# Altium PCB freq_conv_test_unit_pcb (2).PcbDoc (continued)
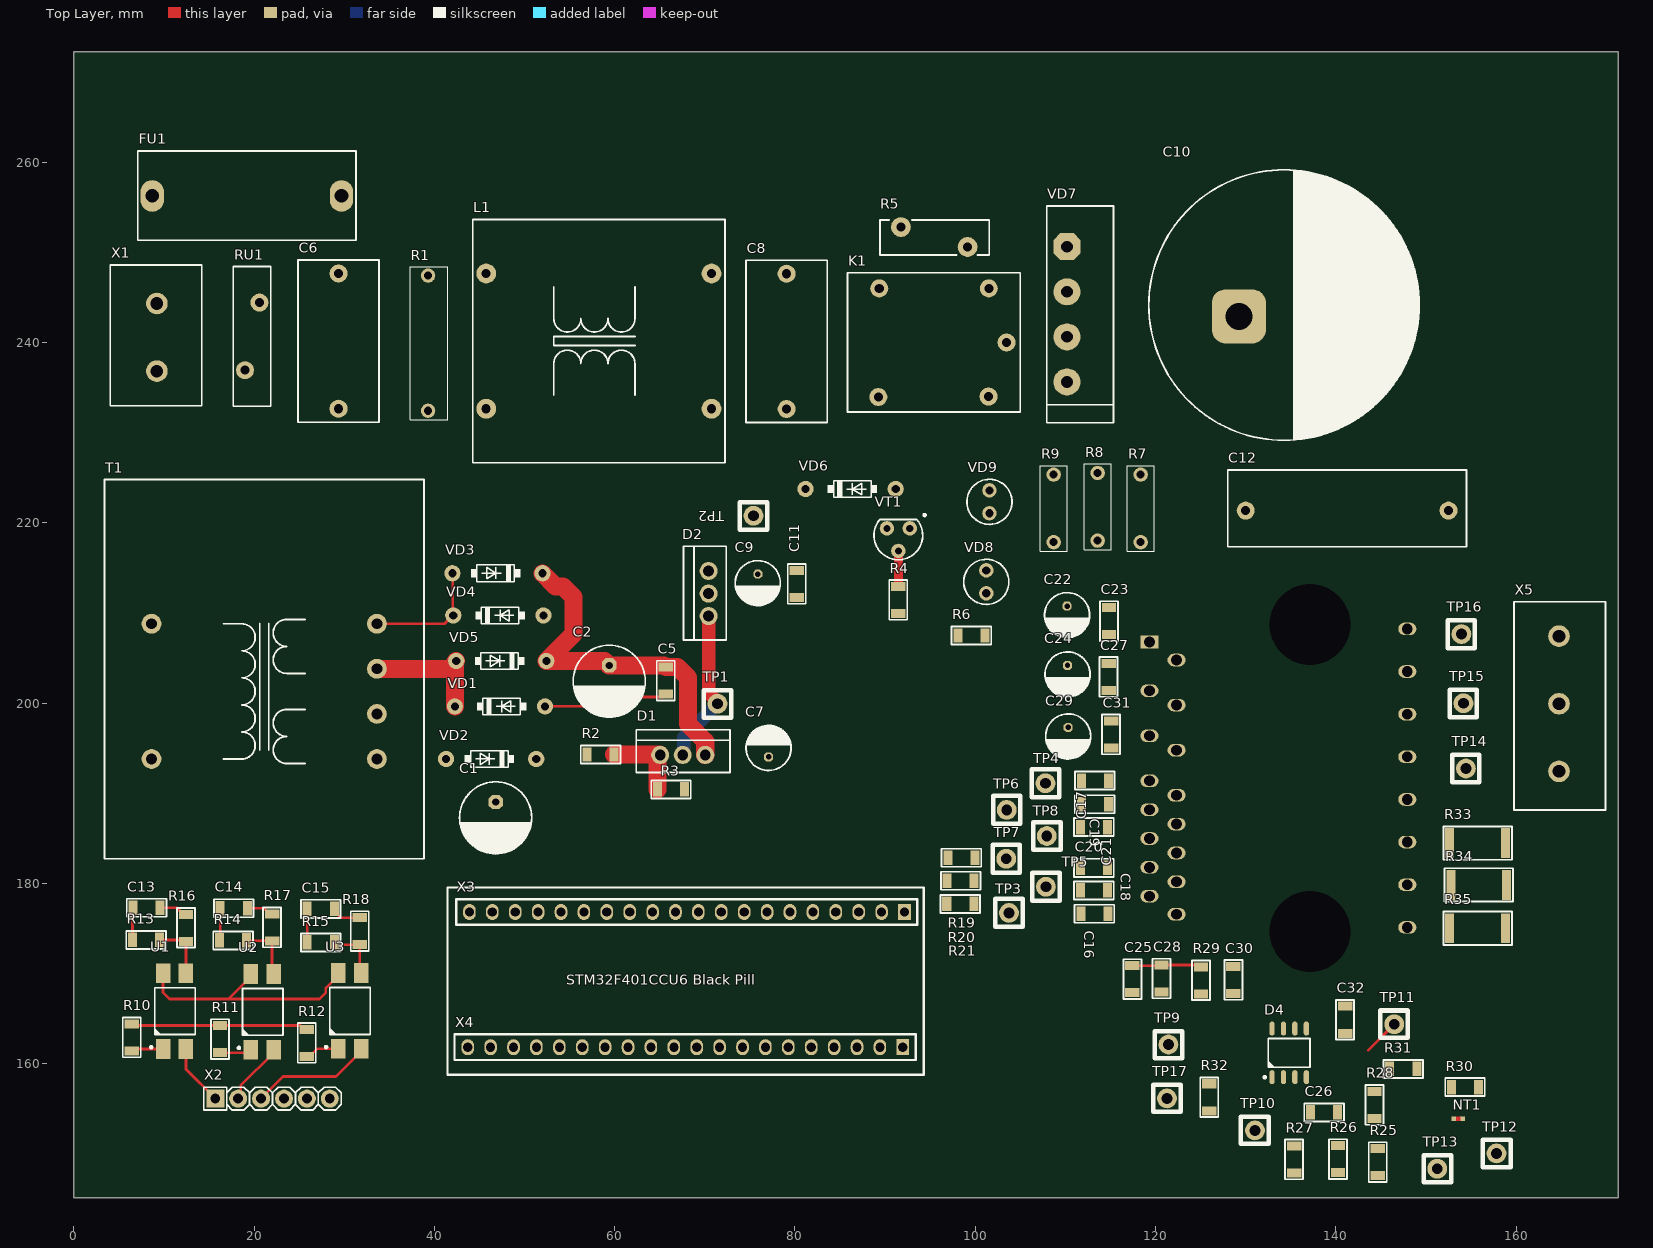
[diagram p0: Top Layer view]
## Components (designator, comment, footprint, x,y, rotation, side; value= is the part's Value field where it differs from the comment) (continued)
R31 "Resistor film, 240, ±5%, 1206, 0.25W, -55...+125°C" "RES: 1206" 147.475,159.425 r180 top value=240
R32 "Resistor film, 4.7k, ±5%, 1206, 0.25W, -55...+125°C" "RES: 1206" 125.95,156.275 r90 top value=4.7k
R33 "Resistor film, 0.01, ±1%, 2512, 1W, -55...+125°C" "RES: 2512" 155.725,184.475 r0 top value=0.01
R34 "Resistor film, 0.01, ±1%, 2512, 1W, -55...+125°C" "RES: 2512" 155.85,179.825 r0 top value=0.01
R35 "Resistor film, 0.01, ±1%, 2512, 1W, -55...+125°C" "RES: 2512" 155.725,175.025 r0 top value=0.01
RU1 "Varistor, 275VAC, pitch 7mm,  -40…85°C" "VARISTOR: B72214" 20.6,244.425 r270 top
T1 "Transformer, TP112-11" "TRANS: TP-112" 21.113,203.787 r90 top
TP1 "Test_Point" "TEST POINT KEYSTONE" 71.4,199.925 r270 top
TP2 "Test_Point" "TEST POINT KEYSTONE" 75.4,220.775 r270 top
TP3 "Test_Point" "TEST POINT KEYSTONE" 103.738,176.725 r0 top
TP4 "Test_Point" "TEST POINT KEYSTONE" 107.788,191.1 r0 top
TP5 "Test_Point" "TEST POINT KEYSTONE" 107.838,179.625 r0 top
TP6 "Test_Point" "TEST POINT KEYSTONE" 103.488,188.15 r0 top
TP7 "Test_Point" "TEST POINT KEYSTONE" 103.438,182.725 r0 top
TP8 "Test_Point" "TEST POINT KEYSTONE" 107.938,185.25 r0 top
TP9 "Test_Point" "TEST POINT KEYSTONE" 121.425,162.125 r270 top
TP10 "Test_Point" "TEST POINT KEYSTONE" 131.025,152.6 r90 top
TP11 "Test_Point" "TEST POINT KEYSTONE" 146.475,164.375 r90 top
TP12 "Test_Point" "TEST POINT KEYSTONE" 157.825,150.05 r270 top
TP13 "Test_Point" "TEST POINT KEYSTONE" 151.25,148.35 r270 top
TP14 "Test_Point" "TEST POINT KEYSTONE" 154.425,192.75 r180 top
TP15 "Test_Point" "TEST POINT KEYSTONE" 154.15,199.975 r180 top
TP16 "Test_Point" "TEST POINT KEYSTONE" 153.925,207.65 r180 top
TP17 "Test_Point" "TEST POINT KEYSTONE" 121.275,156.15 r90 top
U1 "IC optoisolator, 4µs/3µs, 5000Vrms, 35V, -40...+125°C, 4-SMD" 4-SMD 11.175,165.825 r90 top
U2 "IC optoisolator, 4µs/3µs, 5000Vrms, 35V, -40...+125°C, 4-SMD" 4-SMD 20.925,165.75 r90 top
U3 "IC optoisolator, 4µs/3µs, 5000Vrms, 35V, -40...+125°C, 4-SMD" 4-SMD 30.6,165.85 r90 top
VD1 "Single diode, 60V, 1A, 650mV, ?, DO-41,  -65…+150°C" "DIODE: DO41" 47.276,199.636 r180 top
VD2 "Single diode, 1000V, 1A, 1.1V, , DO-41, -65...+175 C" "DIODE: DO41" 46.3,193.8 r0 top
VD3 "Single diode, 60V, 1A, 650mV, ?, DO-41,  -65…+150°C" "DIODE: DO41" 47,214.4 r0 top
VD4 "Single diode, 60V, 1A, 650mV, ?, DO-41,  -65…+150°C" "DIODE: DO41" 47.1,209.725 r180 top
VD5 "Single diode, 60V, 1A, 650mV, ?, DO-41,  -65…+150°C" "DIODE: DO41" 47.425,204.675 r0 top
VD6 "Single diode, 1000V, 1A, 1.1V, , DO-41, -65...+175 C" "DIODE: DO41" 86.175,223.75 r180 top
VD7 "Single phase rectifier, 1000V, 25A, 1.1V, GBJ, Molded plastic, -55...+150°C" "DIODE: KBU6M" 110.175,243.125 r270 top
VD8 "LED, Green, *, *, *, -55...+150°C" "LED: Axial 3MM GREEN" 101.225,213.45 r270 top
VD9 "LED, RED, *, *, *, -55...+150°C" "LED: Axial 3MM RED" 101.575,222.325 r90 top
VT1 "NPN transistor, 40V, 1.5A, 190MHz, 1W, 0.5Vmax, 120...200, TO-92, 150°C" SC_TO-92 91.475,219.38 r90 top
X1 "Connector, 2pin, 9.53mm, 300VAC, 16A" DG128-7.5-02P 9.225,244.325 r270 top
X2 "Connector, 6pin, 2.54mm, 500VAC, 3A" "CON: PLS-6" 22.05,156.125 r0 top
X3 "Connector, 20pin, 2.54mm, 500VAC, 3A" "PBS-20 narrow pitch" 68.02,176.825 r180 top
X4 "Connector, 20pin, 2.54mm, 500VAC, 3A" "PBS-20 narrow pitch" 67.835,161.825 r180 top
X5 "Connector, 3pin, 9.53mm, 300VAC, 16A" DG128-7.5-03P 164.75,192.425 r90 top

## Footprints (in the part's own frame and the unit in brackets; to place one, negate y for a bottom-side part, rotate by r counter-clockwise, add the part's x,y. Pads: shape width x height; smd on the part's side, far side on the other; paste and mask are expansions set on the pad)
4-SMD [mm] "SOIC, 4-Leads, Body 4,60x6,50mm, Pitch 1,27mm, IPC Medium Density"
  rect 2.2x1.6 smd: 1(-4.2,1.27) 2(-4.2,-1.27) 3(4.2,-1.27) 4(4.2,1.27)
  round 0.5 on Mech1: ""(-2.1,1.7)
  silkscreen extent -4.12,-2.3 2.6,2.72, body extent -5,-2.28 5,2.3, height 3.75
8-SOIC [mm] "pitch 1.27 mm"
  rrect100% 1.55x0.6 smd: 1(-2.7,1.905) 2(-2.7,0.635) 3(-2.7,-0.635) 4(-2.7,-1.905) 5(2.7,-1.905) 6(2.7,-0.635) 7(2.7,0.635) 8(2.7,1.905)
  round 0.7 on Mech1: 28(-2.395,1.8)
  silkscreen extent -2.82,-2.3 1.61,2.82, body extent -3,-2.45 3,2.45, height 1.75
"CAP: 1206" [mm]
  rect 1x1.6 smd: 1(-1.5,0) 2(1.5,0)
  silkscreen extent -2.2,-1 2.2,1, body extent -1.6,-0.8 1.6,0.8, height 1
"CAP: B32673" [mm]
  round 2 hole 1: 1(0,0) 2(22.5,0)
  silkscreen extent -2,-4 24.5,4.5, body extent -1.98,-4.25 24.52,4.26, height 16.29
"CAP: B32922" [mm]
  round 2 hole 1: 1(-7.5,0) 2(7.5,0)
  silkscreen extent -9,-4.5 9,4.5, body extent -9,-4.5 9,4.5, height 18.1
"CAP: D5C2H11" [mm]
  oct 1x1 hole 0.6: 1(-1,0)
  round 1 hole 0.6: 2(1,0)
  silkscreen extent -2.5,-2.5 2.5,2.5, body extent -2.75,-2.75 2.75,2.75, height 13.5
"CAP: D8C3.5H12" [mm]
  oct 1.6x1.6 hole 0.8: 1(-1.75,0)
  round 1.6 hole 0.8: 2(1.75,0)
  silkscreen extent -4,-4 4,4, body extent -4.25,-4.25 4.25,4.25, height 13
"CAP: D30C10H37" [mm]
  rrect50% 6x6 hole 3: 1(0,0) 2(10.5,2.5)
  silkscreen extent -10,-13.8 20,16.25, body extent -12.7,-16.47 22.61,18.84, height 36.83
"CON: PLS-6" [mm]
  rect 2x2 hole 1.1: 1(-6.35,0)
  round 2 hole 1.1: 2(-3.81,0) 3(-1.27,0) 4(1.27,0) 5(3.81,0) 6(6.35,0)
  silkscreen extent -7.62,-1.27 7.62,1.27, body extent -7.62,-1.27 7.62,1.27, height 8.54
DG128-7.5-02P [mm]
  round 2.4 hole 1.4: 1(0,0) 2(7.5,0)
  round 0.5 on Top Overlay: ""(-3.2,-4.225)
  silkscreen extent -4.27,-5.18 11.35,4.97, body extent -4.3,-5.22 11.3,4.98, height 14.1
DG128-7.5-03P [mm]
  round 2.4 hole 1.4: 1(0,0) 2(7.5,0) 3(15,0)
  round 0.5 on Top Overlay: ""(-3.2,-4.225)
  silkscreen extent -4.27,-5.18 18.82,4.97, body extent -4.33,-5.25 18.77,4.95, height 14.1
"DIODE: DO41" [mm]
  round 1.8 hole 0.9: 1(-5,0) 2(5,0)
  silkscreen extent -2.91,-0.91 2.52,0.96, body extent -5.41,-1.36 5.45,1.36, height 4.36
"DIODE: KBU6M" [mm]
  oct 3x3 hole 1.3: 1(-7.5,0)
  round 3 hole 1.3: 2(-2.5,0) 3(7.5,0) 4(2.5,0)
  silkscreen extent -12.03,-2.25 12.03,5.15, body extent -11.85,-2.1 11.85,5, height 19.8
"FUSE: FH-101" [mm] "Fuse connector PCB mount"
  oval 2.6x3.5 hole 1.5: 1(-10.5,0) 2(10.5,0)
  silkscreen extent -12.1,-4.9 12.1,5, body extent -12.02,-4.83 11.98,4.97, height 11
"IND: B82723A" [mm]
  round 2.2 hole 1 mask+0.075: 1(25,0) 2(0,0) 3(0,-15) 4(25,-15)
  silkscreen extent -1.5,-21 26.5,6, body extent -1.5,-21 26.5,6, height 16.81
"INF-CIPOS MINI" [mm] "CIPOS MINI;24 pin, 21mm W X 36mm L X 5.6mm H body"
  rect 1.4x2 hole 1.2 paste+0 mask+0: 1(-15.1,14.3)
  oval 1.4x2 hole 1.2 paste+0 mask+0: 2(-13.1,11.3) 3(-9.7,14.3) 4(-8.1,11.3) 5(-4.7,14.3) 6(-3.1,11.3) 7(0.3,14.3) 8(1.9,11.3) 9(3.5,14.3) 10(5.1,11.3) 11(6.7,14.3) 12(8.3,11.3) 13(9.9,14.3) 14(11.5,11.3) 15(13.1,14.3) 16(15.1,11.3) 17(16.555,-14.3) 18(11.825,-14.3) 19(7.095,-14.3) 20(2.365,-14.3) 21(-2.365,-14.3) 22(-7.095,-14.3) 23(-11.825,-14.3) 24(-16.555,-14.3)
  round 0 hole 9 unplated paste+0 mask+0: ""(-17.025,-3.5) ""(17.025,-3.5)
  silkscreen extent -18,-12 18,16.6, body extent -18,-14.56 18,14.56, height 5.61
"LED: Axial 3MM GREEN" [mm]
  round 1.6 hole 0.9: 1(-1.27,0) 2(1.27,0)
  silkscreen extent -2.5,-2.5 2.5,2.5, body extent -1.97,-2 1.7,2, height 7.6
"LED: Axial 3MM RED" [mm]
  round 1.6 hole 0.9: 1(-1.27,0) 2(1.27,0)
  silkscreen extent -2.5,-2.5 2.5,2.5, body extent -1.9,-1.9 1.6,1.9, height 6.5
"NET TIE 0.5_1.5" [mm]
  rect 0.5x0.5 smd: 1(-0.5,0) 2(0.5,0)
  Top Layer region: -0.3,-0.25 0.3,-0.25 0.3,0.25 -0.3,0.25
"PBS-20 narrow pitch" [mil]
  rect 55x70 hole 40: 1(-950,0)
  oval 55x70 hole 40: 2(-850,0) 3(-750,0) 4(-650,0) 5(-550,0) 6(-450,0) 7(-350,0) 8(-250,0) 9(-150,0) 10(-50,0) 11(50,0) 12(150,0) 13(250,0) 14(350,0) 15(450,0) 16(550,0) 17(650,0) 18(750,0) 19(850,0) 20(950,0)
  silkscreen extent -1006,-56 1008,56, body extent -1010,-49 1010,49, height 336
"RES: 1206" [mm]
  rect 1x1.6 smd: 1(-1.5,0) 2(1.5,0)
  silkscreen extent -2.2,-1 2.2,1, body extent -1.65,-0.8 1.55,0.8, height 0.47
"RES: 2512" [mm]
  rect 1x3.3 smd: 1(-3.1,0) 2(3.1,0)
  silkscreen extent -3.8,-1.85 3.8,1.85, body extent -3.17,-1.6 3.17,1.6, height 0.52
"RES: Axial 7.62MM" [mm]
  round 1.6 hole 0.9: 1(0,0) 2(7.5,0)
  silkscreen extent -1,-1.5 8.5,1.5, body extent -0.38,-1.2 7.84,1.2, height 2.7
"RES: Axial 15mm" [mm]
  round 1.6 hole 0.9: 1(0,0) 2(15,0)
  silkscreen extent -1,-2.2 16,2, body extent -0.3,-2.1 15.3,2.1, height 4.7
"RES: B57237 (NTC)" [mm]
  round 2.2 hole 1: 1(0.3,1.1) 2(7.7,-1.1)
  silkscreen extent -2.1,-1.9 10,2, body extent -2,-1.9 10,1.9, height 13
SC_TO-92 [mm] "TO, Flat Index; 3 In-Line, Axial Leads; Body Dia. 5mm; Leads 0.55 x 0.50 mm (max)"
  round 1.6 hole 0.8: 1(0,-1.27) 2(-2.505,0) 3(0,1.27)
  silkscreen extent -3.47,-3.03 1.6,2.71, body extent -5.05,-2.46 0.19,2.54, height 10
SRD-05VDC-SL-C [mm]
  round 2 hole 1: 1(5.5,-6.125) 2(-6.725,-6.175) 3(-6.625,5.875) 4(5.525,5.875) 5(7.5,-0.125)
  silkscreen extent -10.15,-7.83 9.03,7.6, body extent -10.17,-7.88 8.93,7.62, height 16.4
"TEST POINT KEYSTONE" [mm]
  round 2.2 hole 1.2: 1(0,0)
  silkscreen extent -1.5,-1.53 1.52,1.55, body extent -1.27,-1.26 1.27,1.28, height 4.99
TO-220F [mm]
  round 2 hole 1.2: 1(-2.5,0) 2(0,0) 3(2.5,0)
  silkscreen extent -5.15,-1.95 5.25,2.8, body extent -5,-1.6 5.14,3.1, height 19.57
"TRANS: TP-112" [mm]
  round 2.2 hole 1.2: 1(-9.988,12.488) 4(5.012,12.488) 7(5.012,-12.512) 8(0.012,-12.512) 9(-4.988,-12.512) 10(-9.988,-12.512)
  silkscreen extent -21.06,-17.74 21.01,17.71, body extent -20.99,-17.79 21.01,17.71, height 41.5
"VARISTOR: B72214" [mm]
  round 2 hole 1: 1(0,0) 2(7.5,-1.6)
  silkscreen extent -4,-2.9 11.5,1.25, body extent -4,-2.92 11.5,1.28, height 18.75

## Part data
C1: library part Aluminium, Manufacturer=?, Package="8x12x3.5 mm", PartNumber=9000565901, Temperature=-40...+105°C, Tolerance=±20%, TypeCapacitor="Aluminium capacitor", Voltage=25V, HelpURL=https://www.chipdip.ru/product0/9000565901, Impedance=54mOhm, Price ChipDip=13, ValueManufacturerPartNumber="Aluminium capacitor, 220μF, 25V, ±20%, 54mOhm, 8x12x3.5 mm, -40...+105°C"
C2: library part Aluminium, Manufacturer=?, Package="8x12x3.5 mm", PartNumber=9000565901, Temperature=-40...+105°C, Tolerance=±20%, TypeCapacitor="Aluminium capacitor", Voltage=35V, HelpURL=https://www.chipdip.ru/product0/9000565902, Impedance=54mOhm, Price ChipDip=13, ValueManufacturerPartNumber="Aluminium capacitor, 220μF, 35V, ±20%, 54mOhm, 8x12x3.5 mm, -40...+105°C"
C5 C11 C23 C25 C26 C27 C31 C32: library part Ceramic_1206, Package=1206, PartNumber="Ceramic capacitor, 0.1μF,   50V", Temperature=-55...+125°C, Tolerance=±10%, TypeCapacitor="Ceramic capacitor", TypeDielectric=X7R, Voltage=50V, HelpURL=https://www.chipdip.ru/product0/42211, Price ChipDip=11, ValueManufacturerPartNumber="Ceramic capacitor, 0.1μF, X7R, ±10%, 50V, 1206, -55...+125°C"
C6 C8: library part Film, Manufacturer=Epcos, Package=18x14x8, PartNumber=B32922-C3334-K, Temperature=-40...+110°C, Tolerance=±10%, TypeCapacitor="Film capacitor X2", Voltage=305V, HelpURL=https://www.chipdip.ru/product/b32922-c3334-k, Impedance=?, Price ChipDip=59, ValueManufacturerPartNumber="Film capacitor X2, 0.33μF, 305V, ±10%, ?, 18x14x8, -40...+110°C"
C7 C9 C22 C24 C29: library part Aluminium, Manufacturer=?, PartNumber=9000565842, Temperature=-40...+105°C, Tolerance=±20%, TypeCapacitor="Aluminium capacitor", Voltage=25V, HelpURL=https://www.chipdip.ru/product0/9000565842, Impedance=54mOhm, Package=?, Price ChipDip=9, ValueManufacturerPartNumber="Aluminium capacitor, 10μF, 25V, ±20%, 54mOhm, ?, -40...+105°C"
C10: library part Aluminium, Manufacturer="JB Capacitors", Package="30x10x60 mm", PartNumber=JNE2G681M10003000600, Temperature=-25...+105°C, Tolerance=±20%, TypeCapacitor="Aluminium capacitor", Voltage=400V, HelpURL=https://www.chipdip.ru/product0/9000565973, Impedance=?, Price Ali=853, Price ChipDip=700, ValueManufacturerPartNumber="Aluminium capacitor, 680μF, 400V, ±20%, ?, 30x10x60 mm, -25...+105°C"
C12: library part Film, Manufacturer=Epcos, Package="26.5x16.5x8.5 mm", PartNumber=B32683A4104J000, Temperature=-55...+100°C, Tolerance=±10%, TypeCapacitor="Film capacitor", Voltage=400VDC, HelpURL=https://www.chipdip.ru/product0/9000614069, Impedance=?, Price Ali=90, Price ChipDip=160, ValueManufacturerPartNumber="Film capacitor, 0.1μF, 400VDC, ±10%, ?, 26.5x16.5x8.5 mm, -55...+100°C"
C13 C14 C15: library part Ceramic_1206, Package=1206, PartNumber="Ceramic capacitor, 10nF,   50V", Temperature=-55...+125°C, Tolerance=±10%, TypeCapacitor="Ceramic capacitor", TypeDielectric=X7R, Voltage=50V, HelpURL=https://www.chipdip.ru/product0/17180, Price ChipDip=13, ValueManufacturerPartNumber="Ceramic capacitor, 10nF, X7R, ±10%, 50V, 1206, -55...+125°C"
C16 C17 C18 C19 C20 C21: library part Ceramic_1206, Package=1206, PartNumber="Ceramic capacitor, 1nF,   50V", Temperature=-55...+125°C, Tolerance=±10%, TypeCapacitor="Ceramic capacitor", TypeDielectric=X7R, Voltage=50V, HelpURL=https://www.chipdip.ru/product0/9000028006, Price ChipDip=8, ValueManufacturerPartNumber="Ceramic capacitor, 1nF, X7R, ±10%, 50V, 1206, -55...+125°C"
C28 C30: library part Ceramic_1206, Package=1206, PartNumber="Ceramic capacitor, 4.7nF,   50V", Temperature=-55...+125°C, Tolerance=±10%, TypeCapacitor="Ceramic capacitor", TypeDielectric=X7R, Voltage=50V, HelpURL=https://www.chipdip.ru/product0/470810702, Price ChipDip=16, ValueManufacturerPartNumber="Ceramic capacitor, 4.7nF, X7R, ±10%, 50V, 1206, -55...+125°C"
D1: library part LM317, "Adjustable voltage regulator", CurrentOutput=1.5A, Manufacturer=STMicroelectronics, Package=TO-220SG, PartNumber=LM317T, Temperature=0...125°C, VoltageInput=1.2…37V, ComponentType="Adjustable voltage regulator", HelpURL=https://www.chipdip.ru/product/lm317t, Price ChipDip=60
D2: library part 78XX, "Linear voltage regulator", CurrentOutput=1.5A, Manufacturer=STMicroelectronics, PartNumber=L7805ACV, VoltageInput=35V, VoltageOutput=5V, ComponentType="Linear voltage regulator", HelpURL=https://www.chipdip.ru/product/l7805acv-dg, Price ChipDip=41
D3: library part IKCM15F60GA, "Fully isolated Dual In-Line molded  IGBT module", CurrentOutput=15A, Manufacturer="INFINEON TECHNOLOGIES AG.", Temperature=-40...+125°C, VoltageSupply=450V, ComponentType="600 V, 15 A three-phase intelligent power module", HelpURL=https://www.infineon.com/cms/en/product/power/intelligent-power-modules-ipm/ikcm15f60ga/, Package=IKCM15F60GA, PartNumber=IKCM15F60GA, Price Ali=700, Price ChipDip=3120, ValueManufacturerPartNumber="600 V, 15 A three-phase intelligent power module, , , 15A, , 450V, -40...+125°C, IKCM15F60GA"
D4: library part LM393ADR, "Low Power Low Offset Voltage Dual Comparator", Manufacturer="UTD Semiconductor Co.,Ltd", Package=SOP-8, Temperature=0…70°C, ComponentType="IC comparator", HelpURL=https://www.chipdip.ru/product0/9001105966?from=suggest_product, OutputType=Rail-to-Rail, PartNumber=LM393ADR, Price ChipDip=7, Propagation Delay=1.3u, Supply="2...36 V, ±1...±18 V", ValueManufacturerPartNumber="IC comparator, Rail-to-Rail, 2...36 V, ±1...±18 V, 0…70°C, SOP-8"
FU1: library part FUSE, Manufacturer="Dragon City Industries", Package=FH-101, HelpURL=https://www.chipdip.ru/product/fh-101, PartNumber=FH-101, Price ChipDip=38, ValueManufacturerPartNumber=#NAME?
K1: Coil Voltage=5VDC, CurrentMax=10A, Manufacturer="Ningbo Songle Relay", Switching Voltage="(250VAC , 110VDC) Max", HelpURL=https://www.chipdip.ru/product0/8001965486?from=suggest_product, PartNumber=SRD-05VDC-SL-C, Price ChipDip=160
L1: library part B82723A, Manufacturer="TDK (TDK-Lambda)", PartNumber=B82723A2402N1, Rated voltage=250V, Stray inductance=30uH, Tolerance=±30%, TypeInductor="Fixed inductor", HelpURL=https://www.chipdip.ru/product0/8534720954, Package=B82723A, Price ChipDip=400, TypeMatiriel=CuNi18Zn20, ValueManufacturerPartNumber="Fixed inductor, 2.7mH, ±30%, B82723A, CuNi18Zn20,"
R1: library part Resistor_Axial, Tolerance=±5%
R2 R3 R4 R6 R10 R11 R12 R13 R14 R15 R16 R17 R18 R19 R20 R21 R22 R23 R24 R25 R26 R27 R28 R29 R30 R31 R32: library part Resistor_1206, Manufacturer=Yageo, Package=1206, PartNumber=RC1206JR-07100RL, Power=0.25W, Temperature=-55...+125°C, Tolerance=±5%, TypeResistor="Resistor film", HelpURL=https://www.digikey.com/product-detail/en/yageo/RC1206JR-07100RL/311-100ERCT-ND/732153
  R2 R3 R4 R6: ValueManufacturerPartNumber="Resistor film, 100R, ±5%, 1206, 0.25W, -55...+125°C"
  R10 R11 R12 R32: ValueManufacturerPartNumber="Resistor film, 4.7k, ±5%, 1206, 0.25W, -55...+125°C"
  R13 R14 R15: ValueManufacturerPartNumber="Resistor film, 2k, ±5%, 1206, 0.25W, -55...+125°C"
  R16 R17 R18: ValueManufacturerPartNumber="Resistor film, 10k, ±5%, 1206, 0.25W, -55...+125°C"
  R19 R20 R21 R22 R23 R24 R25 R26 R27: ValueManufacturerPartNumber="Resistor film, 100, ±5%, 1206, 0.25W, -55...+125°C"
  R28: ValueManufacturerPartNumber="Resistor film, 1k, ±5%, 1206, 0.25W, -55...+125°C"
  R29: ValueManufacturerPartNumber="Resistor film, 3.6k, ±5%, 1206, 0.25W, -55...+125°C"
  R30: ValueManufacturerPartNumber="Resistor film, 24k, ±5%, 1206, 0.25W, -55...+125°C"
  R31: ValueManufacturerPartNumber="Resistor film, 240, ±5%, 1206, 0.25W, -55...+125°C"
R5: library part NTC, Manufacturer=Epcos, MaxCurrent=2.5A, Package="pitch 7.5mm", PartNumber=B57237S0330M, Temperature=-55...+170°C, Tolerance=±20%, TypeResistor="NTC resistor", HelpURL=https://www.chipdip.ru/product0/8692974334, Price ChipDip=38, ValueManufacturerPartNumber="NTC resistor, 33, ±20%, pitch 7.5mm, 2.5A, -55...+170°C"
R7 R8 R9: library part Resistor_Axial, PartNumber=Resistor, Tolerance=±5%, Price ChipDip=6
R33 R34 R35: library part Resistor_2512, Manufacturer="UNI-ROYAL(Uniroyal Elec)", Package=2512, PartNumber=25121WF100MT4E, Power=1W, Temperature=-55...+125°C, Tolerance=±1%, TypeResistor="Resistor film", HelpURL=https://static.chipdip.ru/lib/922/DOC012922563.pdf, Price DKO=10, ValueManufacturerPartNumber="Resistor film, 0.01, ±1%, 2512, 1W, -55...+125°C"
RU1: library part Varistor, Manufacturer=EPCOS, MaxVoltage=275VAC, Package="pitch 7mm", PartNumber="B72214-S 271-K101", Temperature=-40…85°C, HelpURL=https://www.chipdip.ru/product/b72214-s271-k101, Price ChipDip=36, TypeResistor=Varistor, ValueManufacturerPartNumber="Varistor, 275VAC, pitch 7mm,  -40…85°C"
T1: library part TP-112, Manufacturer=Epcos, Package=TP112-11, PartNumber=ТП112-11, HelpURL=https://www.chipdip.ru/product/tp112-11?from=suggest_product, Price ChipDip=550, TypeTransformer=Transformer, ValueManufacturerPartNumber="Transformer, TP112-11"
U1 U2 U3: library part LTV-817, "Optoisolator", Manufacturer=Lite-On, Package=4-SMD, PartNumber=LTV-817S, Temperature=-40...+125°C, ComponentType="IC optoisolator", DataRate=4µs/3µs, HelpURL=https://www.chipdip.ru/product/pc817-ltv817s, Isolation=5000Vrms, Price ChipDip=24, Supply=35V, ValueManufacturerPartNumber="IC optoisolator, 4µs/3µs, 5000Vrms, 35V, -40...+125°C, 4-SMD"
VD1 VD3 VD4 VD5: library part Diode_single, Current=1A, Manufacturer="VISHAY INTERTECHNOLOGY INC.", Package=DO-41, PartNumber=SB160-E3/54, Temperature=-65…+150°C, Voltage=60V, VoltageDrop=650mV, HelpURL=https://www.digikey.com/product-detail/en/stmicroelectronics/1N5819/497-6610-1-ND/1865421, Price ChipDip=32, RecoveryTime=?, TypeDiode="Single diode", ValueManufacturerPartNumber="Single diode, 60V, 1A, 650mV, ?, DO-41,  -65…+150°C"
VD2 VD6: library part Diode_single, Current=1A, Manufacturer="Diotec Semiconductor", Package=DO-41, PartNumber=1N4007, Temperature="-65...+175 C", Voltage=1000V, VoltageDrop=1.1V, HelpURL=https://www.chipdip.ru/product/1n4007, Price ChipDip=5, TypeDiode="Single diode", ValueManufacturerPartNumber="Single diode, 1000V, 1A, 1.1V, , DO-41, -65...+175 C"
VD7: library part "1PH rectifier", Current=25A, Manufacturer=SMC, Package="GBJ, Molded plastic", PartNumber=GBJ2510, Temperature=-55...+150°C, Voltage=1000V, VoltageDrop=1.1V, HelpURL=https://www.infinite-electronic.ru/datasheet/5a-GBJ2506TB.pdf, Price Ali=79, Price ChipDip=71, TypeDiode="Single phase rectifier", ValueManufacturerPartNumber="Single phase rectifier, 1000V, 25A, 1.1V, GBJ, Molded plastic, -55...+150°C"
VD8: library part LED_single, Color=GREEN, ColorParameter=Green, PartNumber="Green Led", Temperature=-55...+150°C, TypeDiode=LED, ValueManufacturerPartNumber="LED, Green, *, *, *, -55...+150°C"
VD9: library part LED_single, Color=RED, PartNumber="Red Led", Temperature=-55...+150°C, ColorParameter=RED, TypeDiode=LED, ValueManufacturerPartNumber="LED, RED, *, *, *, -55...+150°C"
VT1: library part SS8050CBU, CurrentCE=1.5A, CurrentGain=120...200, Frequency=190MHz, Manufacturer="ON Semiconductor", MaxPower=1W, Package=TO-92, Temperature=150°C, VoltageCE=40V, VoltageSaturation=0.5Vmax, HelpURL=https://www.chipdip.ru/product/s8050, PartNumber=SS8050CBU, Price ChipDip=19, TypeTransistor="NPN transistor", ValueManufacturerPartNumber="NPN transistor, 40V, 1.5A, 190MHz, 1W, 0.5Vmax, 120...200, TO-92, 150°C"
X1: library part "KLS2-128-7.50-02P-4S (DG128-7.5-02P)", CurrentMax=16A, Manufacturer="KLS electronic co ltd", PartNumber=KLS2-128-7.50-02P-4S, VoltageMax=300VAC, CommentText="\"Разъем\"", HelpURL=https://www.chipdip.ru/product/kls2-128-7.50-02p-4s-dg128-7.5-02p, Multichannel=2pin, Pitch=9.53mm, Price ChipDip=16, TypeConnector=Connector, ValueManufacturerPartNumber="Connector, 2pin, 9.53mm, 300VAC, 16A"
X2: library part PLS-6, CurrentMax=3A, Manufacturer=Connfly, VoltageMax=500VAC, CommentText="\"Разъем\"", HelpURL=https://www.chipdip.ru/product/pls-6, Multichannel=6pin, PartNumber=PLS-6, Pitch=2.54mm, Price ChipDip=8, TypeConnector=Connector, ValueManufacturerPartNumber="Connector, 6pin, 2.54mm, 500VAC, 3A"
X3 X4: library part PBS-20, CurrentMax=3A, Manufacturer=Connfly, PartNumber=PBD-20, VoltageMax=500VAC, CommentText="\"Разъем\"", HelpURL=https://www.chipdip.ru/product/pbd-20, Multichannel=20pin, Pitch=2.54mm, TypeConnector=Connector, ValueManufacturerPartNumber="Connector, 20pin, 2.54mm, 500VAC, 3A"
X5: library part DG128-7.5-03P-14, CurrentMax=16A, Manufacturer="Degson Electronics", VoltageMax=300VAC, CommentText="\"Разъем\"", HelpURL=https://www.chipdip.ru/product0/8007163542, Multichannel=3pin, PartNumber=DG128-7.5-03P-14, Pitch=9.53mm, Price ChipDip=37, TypeConnector=Connector, ValueManufacturerPartNumber="Connector, 3pin, 9.53mm, 300VAC, 16A"

## Nets (pads, with @x,y where several pads share a name; then routed paths per layer and width w, separated by ;. In a path a pad name is that pad's centre, name@x,y a point inside that pad or via, vN(x,y) a via of type N, cw(c..) or ccw(c..) an arc to the next point about the centre after c; other vN are vias at no path point)
3.3V: R32.2 U1.4 U2.4 U3.4 X3.20 X4.3 | length 27.3
  Top Layer w0.3: U1.4 9.905,167.895 10.625,167.175 17.18,167.175 ; U2.4 19.655,169.65 17.18,167.175 ; U3.4 29.33,169.75 27.965,168.385 27.965,167.89 27.25,167.175 17.18,167.175
5V: C9.1 C11.2 C32.2 D2.3 D4.8 K1.4 R6.2 R30.2 TP2.1 VD6.2 X3.18 X4.1
+21V_ISO: C1.1 R10.1 R11.1 R12.1 VD2.2 | length 19.8
  Top Layer w0.3: R10.1 6.625,164.225 R11.1 25.125,164.225 25.55,163.8 R12.1
  Top Layer w1: C1.1@46.762,189.062 C1.1 ; VD2.2 VD2.2@51.338,193.762
-21V_ISO: C1.2 T1.9 X2.6
BTN: C15.2 R18.1 | length 3.4
  Top Layer w0.3: C15.2 28.9,176.875 29.575,176.2 R18.1
BTN_ISO: U3.2 X2.3 | length 13.6
  Top Layer w0.3: X2.3 23.23,158.575 29.095,158.575 31.87,161.35 U3.2
DCP+: C10.1 C12.1 D3.23 R7.2 VD7.3
DCP_ON: R4.1 X3.17
DGND: C2.2 C5.1 C7.2 C9.2 C11.1 C13.1 C14.1 C15.1 C16.2 C17.1 C18.2 C19.1 C20.2 C21.1 C25.1 C26.1 C28.1 C30.1 C32.1 D2.2 D3.16 D4.4 D4.5 D4.6 NT1.1 R2.1 R13.1 R14.1 R15.1 R29.1 R31.1 TP12.1 VD1.1 VD4.1 VD8.2 VT1.1 X3.19 X4.2 | length 32.6
  Top Layer w0.3: R13.1 6.525,177.25 C13.1 ; R14.1 16.25,173.75 C14.1 ; R15.1 C15.1 ; VD1.1 58.362,199.636 C2.2 65.35,200.675 C5.1 ; C25.1 120.588,170.875 C28.1 124.838,170.95 R29.1
DIR: C13.2 R16.1 | length 3.2
  Top Layer w0.3: C13.2 11.425,177.3 12.15,176.575 R16.1
DIR_ISO: U1.2 X2.1 | length 6.8
  Top Layer w0.3: U1.2 12.445,159.38 X2.1
GND: C10.2 C12.2 NT1.2 R33.2 R34.2 R35.2 TP13.1 VD7.1 VD9.2
HINU: R19.1 X3.5
HINV: R20.1 X3.6
HINW: R21.1 X3.7
ITRIP: C30.2 D3.15 D4.1 R32.1 TP17.1
LAC: C8.1 L1.1 T1.1 VD7.2
LINU: R22.1 X3.2
LINV: R23.1 X3.3
LINW: R24.1 X3.4
NAC: C8.2 K1.2 L1.4 R5.2 T1.4
NetC2_1: C2.1 C5.2 D1.3 VD3.2 VD5.2 | length 38.7
  Top Layer w2: VD3.2 53.45,212.95 54.253,212.95 55.425,211.778 55.425,207.675 VD5.2 58.9,204.675 C2.1 65.5,204.175 C5.2 66.953,204 68.125,202.828 68.125,197.675 70.05,195.75 D1.3
NetC6_1: C6.1 FU1.2 L1.2 R1.2 RU1.1
NetC6_2: C6.2 L1.3 R1.1 RU1.2 X1.2
NetC16_1: C16.1 D3.7 R19.2 TP3.1
NetC17_2: C17.2 D3.12 R24.2 TP4.1
NetC18_1: C18.1 D3.8 R20.2 TP5.1
NetC19_2: C19.2 D3.11 R23.2 TP6.1
NetC20_1: C20.1 D3.9 R21.2 TP7.1
NetC21_2: C21.2 D3.10 R22.2 TP8.1
NetC22_1: C22.1 C23.1 D3.6
NetC22_2: C22.2 C23.2 D3.5
NetC24_1: C24.1 C27.1 D3.4
NetC24_2: C24.2 C27.2 D3.3
NetC26_2: C26.2 R25.2 R26.2 R27.2 R28.1
NetC29_1: C29.1 C31.1 D3.2
NetC29_2: C29.2 C31.2 D3.1
NetD1_1: D1.1 R2.2 R3.1 | length 9.1
  Top Layer w2: R2.2 65,194.3 D1.1 64.75,193.95 R3.1
NetD3_20: D3.20 TP16.1 X5.3
NetD3_21: D3.21 TP15.1 X5.2
NetD3_22: D3.22 TP14.1 X5.1
NetD4_3: D4.3 R30.1 R31.2 TP11.1 | length 4.1
  Top Layer w0.3: 143.6,161.5 TP11.1
NetFU1_1: FU1.1 X1.1
NetK1_1: K1.1 VD6.1 VT1.3
NetK1_5: K1.5 R5.1 VD7.4
NetR4_2: R4.2 VT1.2 | length 3.9
  Top Layer w1: R4.2 91.462,212.95 91.462,216.862 VT1.2
NetR6_1: R6.1 VD8.1
NetR7_1: R7.1 R8.2
NetR8_1: R8.1 R9.2
NetR9_1: R9.1 VD9.1
NetR10_2: R10.2 U1.1 | length 3.6
  Top Layer w0.3: R10.2 6.625,161.625 U1.1
NetR11_2: R11.2 U2.1 | length 3.6
  Top Layer w0.3: R11.2 19.33,161.225 U2.1
NetR12_2: R12.2 U3.1 | length 3.8
  Top Layer w0.3: R12.2 26.15,160.8 27,161.65 U3.1
NetR13_2: R13.2 R16.2 U1.3 | length 6.5
  Top Layer w0.3: R13.2 12.3,173.725 R16.2 12.445,173.57 U1.3
NetR14_2: R14.2 R17.2 U2.3 | length 6.6
  Top Layer w0.3: R14.2 19.225,173.625 R17.2 22,170.145 U2.3
NetR15_2: R15.2 R18.2 U3.3 | length 6.1
  Top Layer w0.3: R15.2 29.15,173.2 R18.2 31.725,170.195 U3.3
NetT1_7: T1.7 VD3.1 VD4.2 | length 13.6
  Top Layer w0.3: T1.7 41.116,208.8 42.041,209.725 VD4.2 42.05,209.775 42.05,214.35 VD3.1
NetT1_8: T1.8 VD1.2 VD5.1 | length 13
  Top Layer w2: T1.8 41.55,203.8 ; VD1.2 42.276,204.526 VD5.1
NetT1_10: T1.10 VD2.1
SENS: D4.2 R28.2 TP10.1
SPEED: C14.2 R17.1 | length 3
  Top Layer w0.3: C14.2 21.075,177.25 21.7,176.625 R17.1
SPEED_ISO: U2.2 X2.2 | length 7.1
  Top Layer w0.3: X2.2 18.52,156.405 18.52,157.575 22.195,161.25 U2.2
U_SENS: D3.19 R25.1 R33.1
V_SENS: D3.18 R26.1 R34.1
VDD: C7.1 C25.2 D1.2 D2.1 D3.13 R3.2 TP1.1 | length 17.6
  Top Layer w1.5: D2.1 70.425,201.089 71.4,200.114 TP1.1
  Bottom Layer w1.5: D1.2 67.646,194.346 67.646,196.171 TP1.1 TP1.1@71.4,200.114
VFO: C28.2 D3.14 R29.2 TP9.1
W_SENS: D3.17 R27.1 R35.1
pads on no net: D3. D3.24 D4.7 D4.28 K1.3 U1. U2. U3. X1. X2.4 X2.5 X3.1 X3.8 X3.9 X3.10 X3.11 X3.12 X3.13 X3.14 X3.15 X3.16 X4.4 X4.5 X4.6 X4.7 X4.8 X4.9 X4.10 X4.11 X4.12 X4.13 X4.14 X4.15 X4.16 X4.17 X4.18 X4.19 X4.20 X5.

## Silkscreen, mask and mechanical layers (free items; w line width, h text height)
Top Overlay:
  lines w0.254: 41.465,158.775 41.465,179.555 94.275,179.555 94.275,158.775 41.465,158.775
  text "STM32F401CCU6 Black Pill" at 54.653,168.778 h1.14
Mechanical 13:
  the board outline again, w0.254